# Altium PCB PCB-ZB206B-0B.PcbDoc (part 2 of 7) (continued)
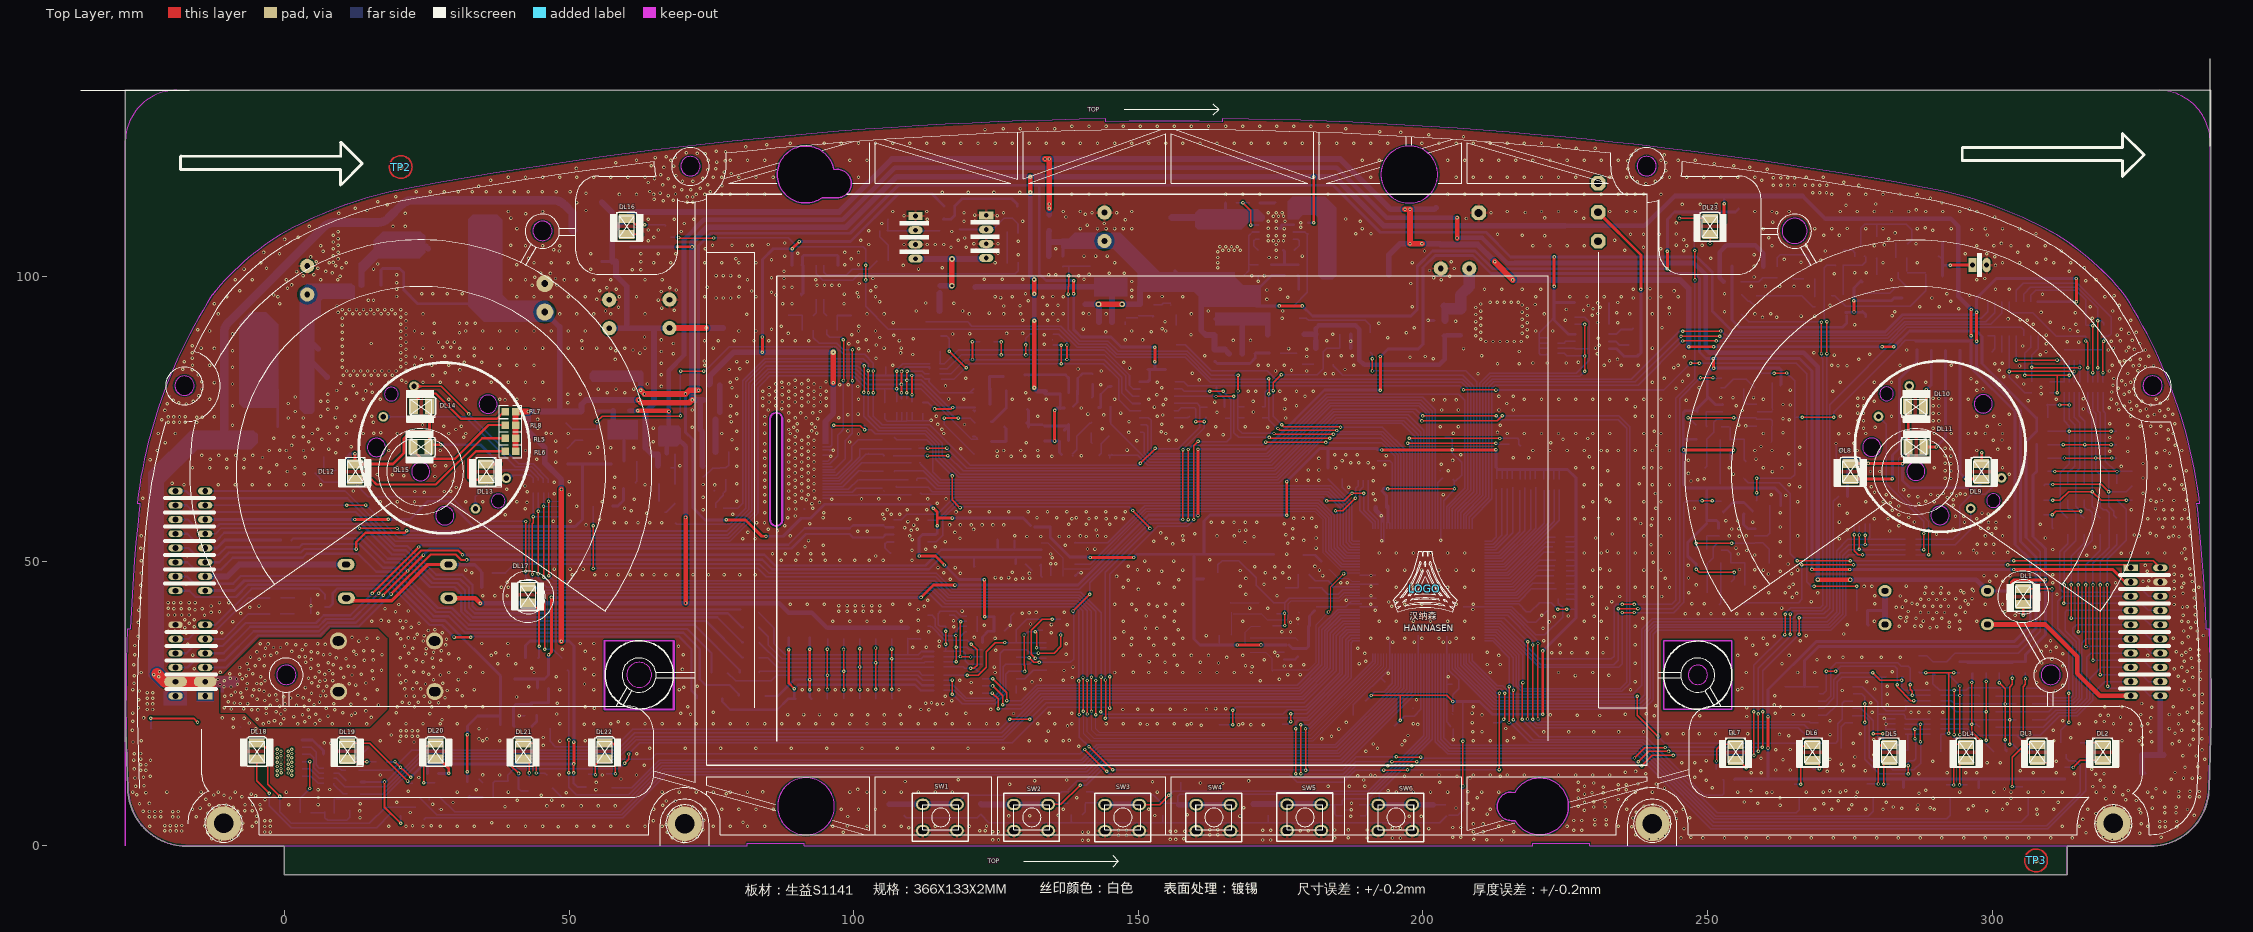
[diagram p0: Top Layer view]
## Nets (pads, with @x,y where several pads share a name; then routed paths per layer and width w, separated by ;. In a path a pad name is that pad's centre, name@x,y a point inside that pad or via, vN(x,y) a via of type N, cw(c..) or ccw(c..) an arc to the next point about the centre after c; other vN are vias at no path point) (continued)
  Bottom Layer w0.25: R137.1@254.17,46.37 254.71,46.91 v1(254.71,48.05)
  Bottom Layer w0.5: R1.2@40.4,29.32 40.41,29.33 44.43,29.33 ; 44.41,29.34 45.7,29.34 46.39,30.03 v1(46.39,33.56) ; R7.1@44.43,27.74 44.43,29.3 ; v1(46.89,43.65) v1@111.77,43.65 ; v1(117.78,45.82) 139.43,45.82 151.768,58.158 160.362,58.158 v1(160.48,58.04) ; v1(160.48,69.68) 172.34,69.68 182.73,80.07 v1(192.532,80.07) ; v1(192.532,85.979) 193.851,87.298 TP61.1@196.342,87.298 199.185,87.298 200.025,88.138 200.025,101.6 202.184,103.759 208.788,103.759 211.955,100.592 247.798,100.592 248.602,99.788 248.602,86.758 249.71,85.65 266.14,85.65 268.351,83.439 v1(268.351,48.57) ; v1@245.75,69.57 245.75,76.11 246.1,76.46 R47.1@248.04,76.46 ; 245.77,71.48 245.8,71.45 R26.2@247.99,71.45 ; v1(245.8,69.57) 245.8,63.38 246.27,62.91 261.81,62.91 262.88,61.84 R98.1@262.88,59.81 ; R99.2@247.78,49.65 246.54,50.89 246.54,53.32 C87.2@249.86,56.64 ; v1(248.02,48.57) R99.2@248.02,49.58 ; R47.1@248.17,76.87 248.18,76.86 248.19,76.86 R47.1@248.2,76.87 ; R47.1@248.2,76.29 R47.1@248.2,76.87 ; R47.1@248.2,76.94 R47.1@248.2,76.87 ; C87.2@249.86,57.17 249.86,62.88 ; C87.2@249.96,57.17 251.61,57.17 251.95,56.83 251.95,55.84 U19.8@251.93,55.82 ; v1(251.07,83.91) v1@250.99,83.99 ; U15.8@252.65,77.53 252.64,77.52 252.64,77.5 251.41,77.5 C17.2@249.96,78.95 ; R50.1@254.16,67.88 254.16,69.12 v1(254.57,69.53) ; R24.1@262.82,80.97 262.92,81.07 262.92,83.67 262.6,83.99 v1@250.99,83.99 ; v1@275.03,48.56 v1(303.82,48.56) ; R47.1@248.2,76.87 249.96,78.63 C17.2@249.96,78.95 ; C17.2@249.96,78.95 249.96,82.97 250.98,83.99 v1@250.99,83.99
  other v1: 275,48.56 251.05,85.61
+12V-V: C54.1 C99.2 R22.2 R104.2 R177.1 U3.1 | length 42.2
  Bottom Layer w0.5: R22.2@179.019,89.789 R22.2@179.146,89.916
  Bottom Layer w0.8: 181.201,88.798 C54.1@181.201,89.916 181.201,90.904 181.737,91.44 188.214,91.44 188.849,90.805 188.849,85.344 189.687,84.506 202.87,84.506 203.858,85.494 C99.2@203.858,86.995 R177.1@203.858,89.512 ; R177.1@203.708,89.662 R177.1@203.858,89.512 ; U3.1@206.629,89.742 204.088,89.742 R177.1@203.858,89.512
  Bottom Layer w1: R22.2@179.146,89.916 C54.1@181.201,89.916 ; R104.2@181.201,87.438 181.201,88.798
+B: D7.1 D8.1 D9.1 D10.1 JA1.3 JA1.4 pad.3@-13.948,28.845 pad.3@-19.148,28.845 U9.15 | length 171
  Top Layer w2: -22.4,30.23 -21.015,28.845 pad.3@-19.148,28.845 pad.3@-13.948,28.845
  Bottom Layer w1.5: -10.24,71.63 -10.617,72.007 -10.617,90.161 cw(c-8.077,90.161) -9.873,91.957 6.951,108.781 cw(c8.747,106.985) 8.747,109.525 16.423,109.525 ccw(c16.423,112.065) 18.219,110.269 20.617,112.667 cw(c22.414,110.871) 22.414,113.411 47.335,113.411 cw(c47.335,110.871) 49.131,112.667 50.67,111.128 50.67,108.18 D7.1@50.69,108.2 ccw(c50.738,108.152) D7.1@50.67,108.152
  Bottom Layer w2: -8.88,28.81 -8.915,28.845 -11.34,28.845 JA1.3@-13.948,28.845 JA1.4@-19.148,28.845 -21.015,28.845 -21.993,29.823 -22.4,30.23 -22.4,64.518 cw(c-19.86,64.518) -21.656,66.314 -16.48,71.49 D9.1@-5.82,71.49
  other v1: -1.265,12.423 1.275,12.423 0.64,12.804 -0.6,12.83 -1.265,13.185 1.275,13.185 -0.63,13.566 0.64,13.566 -1.265,13.947 1.275,13.947 -0.63,14.328 0.64,14.328 -1.265,14.709 1.275,14.709 -0.63,15.09 0.64,15.09 -1.265,15.471 1.275,15.471 -0.63,15.852 0.64,15.852 -1.265,16.233 1.275,16.233 -0.63,16.614 0.64,16.614 -1.265,16.995 1.275,16.995 -3.72,21.43 -0.693,21.43 2.333,21.43 5.36,21.43 8.387,21.43 11.413,21.43 14.44,21.43 -2.76,21.69 3.55,21.79 -1.8,21.97 -1.74,21.97 6.21,22.07 -4.82,22.27 -0.14,22.37 4.34,22.57 15.21,22.57 1.64,22.72 7.63,22.81 11.76,22.93 3.16,23.03 5.48,23.12 -0.64,23.17 -3.24,23.26 12.39,23.34 10.21,23.39 -1.49,23.55 14.3,23.71 -4.68,23.89 -5.76,23.92 0.08,23.9 4.15,23.9 8.82,23.9 -9.35,24.05 -7.2,24.11 7.32,24.15 -3.24,24.19 -10.59,24.27 3.45,24.51 -0.83,24.57 -2.53,24.69 2.1,24.71 16.49,24.75 5.17,24.8 11.66,24.89 0.08,24.94 8.65,24.96 -6.5,25 -7.76,25.02 -8.83,25.1 6.14,25.27 -9.91,25.31 -3.5,25.54 -1.33,25.61 4.36,25.6 -4.83,25.75 14.17,25.85 1.06,25.98 3.26,26 -7.41,26.14 -0.16,26.17 -10.51,26.28 -5.67,26.35 6.31,26.41 7.22,26.41 2.35,26.43 -9.39,26.44 -2.71,26.5 -1.56,26.52 12.85,26.62 4.73,26.81 -7.71,26.89 -8.67,27.04 -3.61,27.14 6.78,27.22 -5.41,27.43 16.3,27.44 -4.44,27.47 -6.69,27.64 3.67,27.82 -9.41,27.91 -10.64,27.95 5.91,28.05 7.39,28.05 12.53,28.26 -11.34,28.36 -8.27,28.4 -4.08,28.47 11.35,28.48 -6.55,28.53 -4.91,28.53 14.3,28.62 4.79,28.67 6.22,28.94 -3.44,28.99 -10.57,29.01 8.47,29.05 7.12,29.13 -11.71,29.23 -8.44,29.32 15.62,29.35 -7.44,29.4 -9.54,29.42 4.21,29.44 10.39,29.62 5.37,29.65 -4.21,29.71 -22.098,29.718 -6.71,29.93 11.85,30.03 -22.987,30.099 -7.89,30.14 7.08,30.13 13.48,30.17 -5.57,30.23 -9.63,30.25 8.46,30.25 -21.971,30.607 6.07,30.62 15.39,30.76 7.82,30.81 17.03,30.85 -6.32,30.99 4.57,31.21 9.85,31.21 -7.9,31.35 12.21,31.49 11.21,31.58 -5.17,31.67 -3.57,31.67 5.93,31.76 8.55,31.85 -6.58,32.03 7.66,32.18 3.69,32.24 14.03,32.62 15.58,32.67 4.7,32.76 -4.48,32.81 10.8,32.9 9.07,33.03 -5.99,33.17 2.57,33.24 3.65,33.26 -3.53,33.4 -2.39,33.49 6.84,33.58 17.12,33.58 12.62,33.62 7.98,33.67 -1.35,33.9 5.84,33.94 -4.85,34.08 4.7,34.12 1.25,34.17 12.17,34.22 13.89,34.31 15.49,34.31 3.11,34.49 -3.35,34.72 -1.94,34.85 -0.71,34.85 1.98,35.35 3.75,35.35 7.16,35.4 -2.89,35.49 0.38,35.49 -4.26,35.53 5.8,35.53 13.07,35.99 14.49,36.49 16.4,36.49 11.85,36.63
+B1: C13.2 C105.2 CP5.1 L1.2 U4.1 | length 28
  Bottom Layer w0.5: L1.2@4.3,82.03 4.38,81.95 C105.2@4.38,76.78
  Bottom Layer w1: L1.2@3.44,89.85 L1.2@3.761,90.171 ; CP5.1@3.761,96.687 3.98,96.687 3.98,89.28 L1.2@5.9,87.36 ; CP5.1@3.98,96.88 3.98,96.87 11.53,96.87 U4.1@11.55,96.85 ; L1.2@4.4,85.44 L1.2@7.47,82.37
AD1: DZ4.6 RP6.8 RP9.5 U17.13 | length 27.3
  Top Layer w0.25: v1(279.04,30.43) 280.387,29.083 v1(284.099,29.083)
  Bottom Layer w0.25: U17.13@269.48,24.18 U17.13@269.52,24.18 ; U17.13@269.52,24.22 270.39,24.22 272.16,25.99 272.16,29.16 273.43,30.43 v1(279.04,30.43) ; DZ4.6@284.476,29.637 284.163,29.637 284.1,29.7 284.099,29.699 v1(284.099,29.083) 284.099,27.813 284.542,27.37 RP9.5@284.8,27.37 ; RP9.5@284.72,27.29 284.74,27.29 284.78,27.33 RP6.8@289.15,27.33 ; RP9.5@285.1,27.42 RP9.5@285.16,27.36
AD2: DZ4.4 RP6.7 RP9.6 U17.14 | length 31.7
  Top Layer w0.25: v1(285.623,28.321) 285.623,27.559 286.004,27.178 v1(286.004,26.46)
  Bottom Layer w0.25: U17.14@269.48,25.45 270.78,25.45 271.62,26.29 271.62,31.2 271.68,31.26 ; 271.663,31.243 272.64,32.22 283.408,32.22 284.066,31.562 DZ4.4@284.476,31.562 285.303,31.562 285.623,31.242 v1(285.623,28.321) ; RP9.6@284.66,26.55 284.68,26.57 284.82,26.43 286.68,26.43 ; 286.69,26.43 RP6.7@289.15,26.43
AD3: DZ4.3 RP6.6 RP9.7 U17.15 | length 29.5
  Top Layer w0.25: v1(270.9,30.68) 270.92,30.66 v1(272.51,30.66) ; v1(283.337,28.321) 283.337,27.94 285.75,25.527 v1(286.258,25.527)
  Bottom Layer w0.25: U17.15@269.69,26.78 269.69,26.77 269.74,26.72 270.38,26.72 270.91,27.25 270.91,30.67 v1(270.9,30.68) ; v1(272.51,30.66) 273.412,31.562 DZ4.3@281.326,31.562 282.89,31.562 283.337,31.115 v1(283.337,28.321) ; RP9.7@284.66,25.6 RP9.7@284.73,25.53 ; RP9.7@284.8,25.53 287.78,25.53 287.8,25.55 ; 287.8,25.53 RP6.6@289.15,25.53
AD4: DZ4.1 RP6.5 RP9.8 U17.12 | length 32
  Bottom Layer w0.25: U17.12@269.48,22.91 270.845,22.91 272.76,24.825 272.76,28.86 273.562,29.662 280.62,29.662 ; DZ4.1@281.326,29.68 DZ4.1@281.344,29.68 ; DZ4.1@281.37,29.67 DZ4.1@281.36,29.68 ; RP9.8@284.72,24.65 284.74,24.63 284.74,24.61 284.76,24.63 RP9.8@284.8,24.63 ; RP6.5@289.15,24.63 RP9.8@284.8,24.63 ; 280.62,29.662 280.62,24.53 281.43,23.72 284.57,23.72 284.8,23.95 RP9.8@284.8,24.63 ; 280.62,29.662 DZ4.1@281.326,29.662 ; DZ4.1@281.326,29.662 DZ4.1@281.344,29.68 ; DZ4.1@281.326,29.662 281.342,29.662 DZ4.1@281.36,29.68 ; DZ4.1@281.344,29.68 DZ4.1@281.36,29.68
AD5: DZ5.6 RP8.8 RP10.5 U17.1 | length 25.5
  Bottom Layer w0.25: U17.1@275.48,27.99 277.2,27.99 279.93,25.26 279.93,17.59 280.63,16.89 DZ5.6@282.1,16.89 ; 279.95,23.13 284.46,23.13 284.78,22.81 RP10.5@284.78,22.33 ; RP10.5@284.86,22.23 284.91,22.28 RP8.8@289.15,22.28
AD6: DZ5.4 RP8.7 RP10.6 U17.5 | length 32.4
  Top Layer w0.25: v1(287.419,21.38) 287.419,18.291 v1(287.43,18.28)
  Bottom Layer w0.25: U17.5@275.42,22.89 277.51,22.89 278.4,22 278.4,15.48 278.952,14.928 DZ5.4@281.99,14.928 ; DZ5.4@281.98,14.95 281.99,14.94 DZ5.4@281.99,14.928 ; DZ5.4@282.134,14.928 DZ5.4@281.99,14.928 ; RP10.6@284.66,21.46 284.74,21.38 v1(287.419,21.38) RP8.7@289.15,21.38 ; v1(287.43,18.28) 287.43,14.53 286.24,13.34 282.58,13.34 281.99,13.93 DZ5.4@281.99,14.928
AD7: DZ5.3 RP8.6 RP10.7 U17.2 | length 35.5
  Top Layer w0.25: v1(277.62,21.69) 277.62,24.93 v1(277.63,24.94) ; v1@285.28,12.63 v1(285.28,12.64) v1(285.28,14.11) ; v1(286.45,20.49) 286.45,18.86 v1(286.46,18.85)
  Bottom Layer w0.25: U17.2@275.58,26.74 277.1,26.74 277.63,26.21 v1(277.63,24.94) ; v1(277.62,21.69) 277.62,15.21 280.19,12.64 v1(285.28,12.64) ; RP10.7@284.58,20.68 284.78,20.48 v1@286.449,20.48 ; v1(285.28,14.11) 285.284,14.114 DZ5.3@285.284,14.928 ; DZ5.3@285.41,14.95 286.22,14.95 286.56,15.29 286.56,18.75 v1(286.46,18.85) ; v1(286.45,20.49) v1@286.449,20.48 ; RP8.6@289.15,20.48 v1@286.449,20.48
AD8: DZ5.1 RP8.5 RP10.8 U17.4 | length 22.3
  Top Layer w0.25: v1(279.15,19.72) v1(280.8,19.72)
  Bottom Layer w0.25: U17.4@275.48,24.18 276.93,24.18 279.15,21.96 v1(279.15,19.72) ; v1(280.8,19.72) 280.81,19.71 280.81,18.71 281.86,17.66 281.89,17.69 283.75,17.69 284.612,16.828 DZ5.1@285.284,16.828 ; RP10.8@284.78,19.63 RP10.8@284.92,19.63 ; RP10.8@284.9,19.65 RP10.8@284.92,19.63 ; DZ5.1@285.11,16.84 285.1,16.83 285.09,16.83 285.16,16.9 RP10.8@285.16,19.58 ; RP8.5@289.15,19.58 RP10.8@285.16,19.58 ; RP10.8@284.92,19.63 285.16,19.63 RP10.8@285.16,19.58 ; RP10.8@284.92,19.63 284.97,19.58 RP10.8@285.16,19.58
AD9: DZ7.6 RP15.8 RP18.5 U18.13 | length 36.3
  Top Layer w0.25: v1(319.49,83.15) 319.49,88.567 v1(319.586,88.664)
  Bottom Layer w0.25: U18.13@304.282,95.607 304.282,97.622 305.47,98.81 315,98.81 320.929,92.881 320.929,89.999 320.447,89.517 DZ7.6@319.586,89.517 v1(319.586,88.664) ; RP18.5@319.49,85.38 v1(319.49,83.15) 319.49,81.499 RP15.8@319.492,81.497
AD10: DZ7.4 RP15.7 RP18.6 U18.14 | length 32.4
  Top Layer w0.25: v1(318.59,83.99) v1(318.59,92.29)
  Bottom Layer w0.25: U18.14@305.552,95.607 305.552,96.952 306.75,98.15 314.946,98.15 318.59,94.506 v1(318.59,92.29) 319.16,92.29 319.586,91.864 DZ7.4@319.586,91.442 ; RP15.7@318.59,81.499 v1(318.59,83.99) RP18.6@318.59,85.38
AD11: DZ7.3 RP15.6 RP18.7 U18.15 | length 29.7
  Top Layer w0.25: v1(317.69,83.16) v1(317.69,91.39)
  Bottom Layer w0.25: U18.15@306.822,95.607 306.822,96.782 307.69,97.65 314.734,97.65 316.436,95.947 DZ7.3@316.436,91.442 317.638,91.442 v1(317.69,91.39) ; RP18.7@317.69,85.38 v1(317.69,83.16) 317.69,81.499 RP15.6@317.692,81.497
AD12: DZ7.1 RP15.5 RP18.8 U18.12 | length 26.4
  Top Layer w0.25: v1(316.46,88.7) 316.79,88.37 v1(316.79,84.01)
  Bottom Layer w0.25: U18.12@303.012,95.607 303.012,94.088 303.47,93.63 307.15,93.63 311.238,89.542 DZ7.1@316.436,89.542 316.436,88.724 v1(316.46,88.7) ; RP18.8@316.79,85.38 v1(316.79,84.01) 316.79,81.499 RP15.5@316.792,81.497
AD12-0: C82.2 DZ15.4 DZ15.6 R160.1 R161.2 U10.83 | length 104.9
  Top Layer w0.25: v1(173.84,72.46) 173.99,72.31 v1(184.28,72.31)
  Top Layer w0.3: v1(137.71,96.95) 137.71,98.248 137.76,98.298 v1(137.76,100.15) ; v1@167.47,80.05 v1@167.48,80.06 ; v1(167.53,79.92) v1(167.53,82.7)
  Bottom Layer w0.25: v1@184.275,72.305 192.719,72.305 196.15,68.874 U10.83@196.15,55.76
  Bottom Layer w0.3: R160.1@136.728,101.727 136.828,101.827 137.744,101.827 ; v1@137.7,97.1 137.7,90.704 139.722,88.682 144.672,88.682 146.452,86.902 158.609,86.902 162.811,82.7 v1(167.53,82.7) v1@167.62,82.7 ; v1(137.76,100.15) 137.76,101.811 137.744,101.827 ; R161.2@141.554,101.827 137.744,101.827 ; v1@167.47,80.05 167.492,80.072 v1@167.492,80.19 ; 167.492,77.19 167.492,73.258 168.26,72.49 v1@173.84,72.49 ; v1@167.492,80.05 167.492,77.2 167.519,77.173 DZ15.6@168.604,77.173 ; 167.494,75.248 DZ15.4@168.604,75.248
AD12-1: C53.2 DZ15.3 R27.1 R45.2 U10.84 | length 112.6
  Top Layer w0.25: v1@172.94,82.15 v1(172.94,82.1) 172.94,82.01 172.92,81.99 172.97,81.94 v1@172.97,79.37 ; v1(174.53,73.33) 174.87,72.99 v1(184.88,72.99)
  Bottom Layer w0.25: R45.2@112.649,92.075 C53.2@117.602,92.075 120.015,92.075 120.778,91.312 136.332,91.312 139.492,88.152 144.452,88.152 146.234,86.37 158.398,86.37 162.768,82 172.84,82 v1(172.94,82.1) ; DZ15.3@171.754,75.248 172.908,75.248 172.92,75.26 ; v1@172.95,79.48 172.95,74.91 v1(174.53,73.33) ; v1@184.87,73.08 184.85,73.06 184.83,73.06 185.085,72.805 192.926,72.805 192.941,72.79 192.944,72.79 196.65,69.084 U10.84@196.65,55.76
  other v1: 172.94,79.41
AD12-2: C18.2 DZ15.1 R67.2 R104.1 U10.85 | length 68.8
  Top Layer w0.25: v1(173.72,80) 173.72,81.36 v1(175.15,82.79) ; v1(175.21,73.99) 175.52,73.68 185.39,73.68 v1(185.53,73.54)
  Bottom Layer w0.25: DZ15.1@171.754,77.148 DZ15.1@171.838,77.148 ; DZ15.1@171.79,77.1 DZ15.1@171.838,77.148 ; DZ15.1@171.84,77.21 171.84,77.15 DZ15.1@171.838,77.148 ; v1@175.09,82.74 181.419,82.74 182.499,83.82 182.499,86.836 R104.1@183.101,87.438 185.381,87.438 R67.2@185.391,87.448 C18.2@185.391,89.916 ; v1(175.21,73.99) 173.72,75.48 v1(173.72,80) 173.56,80.16 172.735,80.16 172.265,79.69 172.265,77.148 DZ15.1@171.838,77.148 ; v1(185.53,73.54) v1@185.555,73.515 ; v1@185.6,73.56 192.884,73.56 197.15,69.294 U10.85@197.15,55.76
AD13: DZ8.6 RP5.5 RP17.8 U18.1 | length 20.9
  Top Layer w0.25: v1(306.98,84.12) 307.07,84.03 315.35,84.03 v1(315.37,84.05)
  Bottom Layer w0.25: DZ8.6@307.004,81.533 306.98,81.556 v1(306.98,84.12) 306.98,86.24 308.092,87.352 U18.1@308.092,89.607 ; RP17.8@315.352,81.497 315.37,81.514 v1(315.37,84.05) RP5.5@315.37,85.36
AD14: DZ8.4 RP5.6 RP17.7 U18.5 | length 27.7
  Top Layer w0.25: v1(303.03,83.34) 303.03,83.35 v1(314.469,83.35)
  Bottom Layer w0.25: U18.5@303.012,89.607 303.012,82.338 305.742,79.608 DZ8.4@307.004,79.608 ; RP17.7@314.452,81.497 314.47,81.514 v1(314.469,83.35) RP5.6@314.47,85.36
AD15: DZ8.3 RP5.7 RP17.6 U18.2 | length 23.5
  Top Layer w0.25: v1(305.76,82.66) 305.86,82.66 305.87,82.67 311.49,82.67 ; v1(311.468,79.608) 311.468,82.648 311.49,82.67 ; v1(313.57,82.67) 311.49,82.67
  Bottom Layer w0.25: v1(305.76,82.66) 305.76,86.55 306.822,87.612 U18.2@306.822,89.607 ; DZ8.3@310.154,79.608 v1(311.468,79.608) ; RP17.6@313.552,81.497 313.57,81.514 v1(313.57,82.67) RP5.7@313.57,85.36
AD16: DZ8.1 RP5.8 RP17.5 U18.4 | length 19
  Top Layer w0.25: v1@304.27,85.36 v1(311.42,85.36)
  Bottom Layer w0.25: v1(304.282,85.36) U18.4@304.282,89.607 ; DZ8.1@310.154,81.508 RP17.5@312.641,81.508 ; v1(311.42,85.36) RP5.8@312.67,85.36 312.67,81.514 RP17.5@312.652,81.497
AD17: DZ10.6 RP21.1 RP23.8 U20.13 | length 21.9
  Top Layer w0.25: v1@116.16,35.46 v1(116.16,37.72)
  Bottom Layer w0.25: RP21.1@115.82,34.16 RP21.1@115.96,34.16 ; v1(116.14,35.44) 116.14,34.34 RP21.1@115.96,34.16 ; v1@116.176,37.68 DZ10.6@116.176,38.567 115.183,38.567 114.86,38.89 114.86,40.83 115.24,41.21 118.01,41.21 118.86,40.36 RP23.8@119.88,40.36 ; U20.13@122.55,31.92 120.2,31.92 119.63,32.49 119.63,33.81 119.28,34.16 RP21.1@115.96,34.16
AD18: DZ10.4 RP21.2 RP23.7 U20.14 | length 16.4
  Top Layer w0.25: v1@118.75,39.42 v1(118.75,33.27) 118.83,33.19 v1(120.52,33.19)
  Bottom Layer w0.25: RP21.2@115.82,33.26 v1@118.76,33.26 ; 116.82,40.492 117.688,40.492 v1(118.78,39.4) 118.84,39.46 RP23.7@119.88,39.46 ; v1@120.56,33.19 U20.14@122.55,33.19
AD19: DZ10.3 RP21.3 RP23.6 U20.15 | length 21.9
  Top Layer w0.25: v1(117.96,36.97) 118.01,36.97 117.98,36.94 117.98,34.9 v1(117.99,34.89) ; v1(118.01,32.36) v1@118.01,34.89
  Bottom Layer w0.25: DZ10.3@113.026,40.492 113.768,40.492 114.36,39.9 114.36,38.548 115.998,36.91 118.01,36.91 v1@118.01,36.97 ; RP21.3@115.82,32.36 v1(118.01,32.36) ; v1(117.96,36.97) 117.96,37.696 118.824,38.56 RP23.6@119.88,38.56 ; v1(117.99,34.89) 118,34.9 119.86,34.9 120.3,34.46 U20.15@122.55,34.46
AD20: DZ10.1 RP21.4 RP23.5 U20.12 | length 23.7
  Top Layer w0.25: v1(120.525,31.198) 121.114,31.198 121.666,31.75 121.666,34.434 v1(120.65,35.45)
  Bottom Layer w0.25: DZ10.1@113.026,38.592 113.427,38.592 113.538,38.481 113.665,38.481 116.031,36.115 118.745,36.115 ; RP21.4@115.82,31.46 119.24,31.46 119.502,31.198 v1(120.525,31.198) 121.329,31.198 121.897,30.63 U20.12@122.58,30.63 ; RP23.5@119.88,37.66 119.626,37.66 118.75,36.784 118.75,36.12 118.745,36.115 ; v1(120.65,35.45) 119.985,36.115 118.745,36.115
AD21: DZ11.6 RP22.1 RP24.8 U20.1 | length 29.7
  Top Layer w0.25: v1(119.95,29.98) 121.86,29.98 123.26,31.38 123.26,34.09 124.9,35.73 v1(126.56,35.73)
  Bottom Layer w0.25: RP22.1@115.82,30.02 119.91,30.02 v1(119.95,29.98) ; v1(126.56,35.73) U20.1@128.55,35.73 ; DZ11.6@133.184,39.833 130.413,39.833 128.55,37.97 U20.1@128.55,35.73 ; RP24.8@133.85,35.69 133.81,35.73 U20.1@128.55,35.73
AD22: DZ11.4 RP22.2 RP24.7 U20.5 | length 36.4
  Top Layer w0.25: v1(117.31,26.63) v1(117.31,29.13) ; v1(129.92,37.055) 129.92,31.78 130.02,31.68 v1(130.02,30.65) ; v1(131.91,37.62) 132.12,37.41 v1(132.12,34.8)
  Bottom Layer w0.25: RP22.2@115.82,29.12 117.32,29.12 v1(117.31,29.13) ; v1(117.31,26.63) 117.41,26.63 119.08,24.96 124.851,24.96 126.75,26.859 126.75,30.12 127.28,30.65 v1(130.02,30.65) ; v1(129.92,37.055) 129.99,37.055 130.555,37.62 v1(131.91,37.62) ; v1@131.935,37.595 132.248,37.908 DZ11.4@133.184,37.908 ; v1@132.11,34.79 RP24.7@133.85,34.79
AD23: DZ11.3 RP22.3 RP24.6 U20.2 | length 33.8
  Top Layer w0.25: v1(132.45,33.88) 135.19,33.88 136.35,35.04 v1(136.35,37.06)
  Bottom Layer w0.25: RP22.3@115.82,28.22 117.514,28.22 119.774,25.96 124.431,25.96 125.74,27.269 125.74,33.85 126.35,34.46 130.44,34.46 131.01,33.89 RP24.6@133.85,33.89 ; DZ11.3@136.334,37.908 136.35,37.891 v1(136.35,37.06)
AD24: DZ11.1 RP22.4 RP24.5 U20.4 | length 35.6
  Top Layer w0.25: v1(131.92,32.99) 131.232,33.678 131.232,37.902 133.161,39.83 v1@134.89,39.83
  Bottom Layer w0.25: RP22.4@115.82,27.32 117.7,27.32 119.56,25.46 124.641,25.46 126.24,27.059 126.24,31.44 126.72,31.92 130.85,31.92 v1(131.92,32.99) RP24.5@133.85,32.99 ; v1(134.9,39.84) 136.301,39.84 DZ11.1@136.334,39.808
AD25: DZ14.4 R83.2 R95.2 U5.5 | length 156.2
  Top Layer w0.3: v1(157.83,57.34) v1@157.83,69.59 ; v1(160.11,74.549) v1(161.58,74.549)
  Bottom Layer w0.3: R83.2@36.55,47.96 R95.2@38.788,47.96 ; R95.2@38.81,47.96 40.36,49.51 83.49,49.51 85.121,47.879 114.555,47.879 117.344,45.09 139.62,45.09 151.871,57.34 v1(157.83,57.34) ; U5.5@156.31,76.47 157.02,76.47 157.54,76.99 159.86,76.99 160.11,76.74 v1(160.11,74.549) ; v1(157.85,69.62) 157.85,69.69 161.58,73.42 v1(161.58,74.549) 161.58,74.95 DZ14.4@161.9,75.27
AD27: DZ14.1 R127.2 R173.2 U5.1 | length 168.6
  Top Layer w0.3: v1(207.14,80.14) 212.78,80.14 v1(212.83,80.09) ; v1@247.06,84.79 v1(248.59,84.79) ; v1(268.732,45.63) v1(276.23,45.63)
  Bottom Layer w0.3: U5.1@156.49,81.57 157.984,81.57 158.704,80.85 206.43,80.85 v1(207.14,80.14) ; 163.72,80.81 163.72,80.01 163.755,79.975 165.16,78.57 DZ14.1@165.16,77.108 ; v1(212.83,80.09) 242.32,80.09 247.07,84.84 v1@247.07,84.83 ; v1@248.6,84.78 265.613,84.78 267.462,82.931 267.462,46.409 268.241,45.63 v1@268.702,45.63 ; v1@268.732,45.6 v1@268.702,45.63 ; v1(268.732,45.63) v1@268.702,45.63 ; R127.2@276.24,41.37 R173.2@276.24,43.95 R173.2@276.24,44.03 ; v1@276.24,45.63 R173.2@276.24,44.03 ; R173.2@276.3,44.09 R173.2@276.24,44.03
  other v1: 247.03,84.82
AD28: D35.1 DZ14.6 R143.2 R144.2 U5.4 | length 149.9
  Top Layer w0.25: v1(54.88,74.57) 55.84,75.53 69.53,75.53 v1(69.56,75.56) ; v1(69.59,83.42) v1(73.63,83.42) ; v1(103.43,83.43) 103.43,79.65 v1(103.46,79.62) ; v1(150.37,67.21) 152.94,69.78 v1(152.94,69.84)
  Bottom Layer w0.25: D35.1@49.43,74.31 50.56,73.18 R143.2@52.34,73.18 R144.2@54.86,73.18 54.86,74.55 v1(54.88,74.57) ; v1(69.56,75.56) 69.56,83.39 v1(69.59,83.42) ; v1(73.63,83.42) 73.82,83.42 78.14,87.74 96.84,87.74 98.21,86.37 101.895,86.37 103.43,84.835 v1(103.43,83.43) ; v1(103.46,79.62) 103.46,75.483 104.983,73.96 113.35,73.96 120.43,66.88 150.04,66.88 v1(150.37,67.21) ; v1@152.89,69.78 157.04,69.78 160.82,73.56 160.82,77.25 160.33,77.74 U5.4@156.31,77.74 ; 160.83,77.11 DZ14.6@162.116,77.11
AD29: D34.1 DZ14.3 R140.2 R141.2 U5.2 | length 198.3
  Top Layer w0.25: v1(59.74,14.52) 60.46,15.24 v1(60.46,16.15) ; v1(144.96,24.22) 144.96,29.71 v1(144.97,29.72) ; v1(159.76,57.34) 159.76,70.29 v1@160.52,71.05 ; v1@162.54,79.88 v1(162.56,79.88) v1@164.89,79.88
  Bottom Layer w0.25: R140.2@36.64,8.55 36.69,8.6 R141.2@36.69,11.08 36.94,11.33 D34.1@39.32,11.33 ; D34.1@39.36,11.52 D34.1@39.22,11.52 39.22,12.44 40.31,13.53 58.75,13.53 v1(59.74,14.52) ; v1(60.46,16.15) 62.44,18.13 127.85,18.13 134.05,24.33 144.91,24.33 144.91,24.27 v1(144.96,24.22) ; v1@144.96,29.67 144.96,47.739 153.382,56.162 158.582,56.162 v1(159.76,57.34) ; U5.2@156.31,80.28 157.62,80.28 158.028,79.872 v1@162.522,79.872 ; v1@160.46,71.02 165.56,71.02 166.21,71.67 166.21,75.13 ; v1@164.92,79.75 166.21,78.46 166.21,76.09 ; DZ14.3@165.24,75.13 166.21,75.13 ; 166.21,76.07 166.21,75.13
  other v1: 160.5,71.07 164.91,79.89
ADC0: U10.4 U17.3 | length 84.5
  Top Layer w0.25: v1(237.67,26.29) 237.67,22.934 v1(241.3,19.304)
  Bottom Layer w0.25: U10.4@207.15,33.76 207.15,31.924 212.944,26.13 237.51,26.13 v1(237.67,26.29) ; v1(241.3,19.304) 242.534,18.07 272.5,18.07 272.909,18.479 272.909,21.469 273.69,22.25 273.69,25.09 274.05,25.45 U17.3@275.48,25.45
ADC1: U10.1 U18.3 | length 155.2
  Bottom Layer w0.25: U10.1@208.65,33.76 208.65,32.56 213.084,28.126 214.038,28.126 215.533,26.631 236.871,26.631 238.452,28.212 238.452,38.032 240.312,39.892 264.977,39.892 265.857,40.772 270.472,40.772 271.49,41.79 271.49,77.549 285.041,91.1 305.1,91.1 305.54,90.66 U18.3@305.54,90.09 ; U18.3@305.552,89.607 U18.3@305.552,90.09
ADC2: U10.81 U20.3 | length 110.4
  Top Layer w0.25: v1(130.81,33.05) 131.63,32.23 v1(132.58,32.23) ; v1(138.52,41.26) v1(141.478,44.218) ; v1(158.79,57.33) v1(158.79,69.64) 158.79,69.69 v1@158.82,69.72 ; v1@172.378,70.95 v1@182.94,70.95
  Bottom Layer w0.25: U20.3@128.55,33.19 U20.3@128.58,33.19 ; U20.3@128.58,33.17 130.69,33.17 v1(130.81,33.05) ; v1(132.58,32.23) 138.06,32.23 138.66,32.83 138.66,41.14 v1@138.43,41.37 ; v1(141.478,44.218) 141.478,46.198 143.7,48.42 ; 143.697,48.423 151.935,56.662 158.122,56.662 v1(158.79,57.33) ; v1(158.79,69.64) 159.532,70.382 171.802,70.382 v1(172.374,70.954) ; v1@182.96,70.87 192.73,70.87 195.15,68.45 U10.81@195.15,55.76
  other v1: 182.94,70.89
ADC3: U5.3 U10.82 | length 60.3
  Top Layer w0.25: v1(163.65,78.96) 166.75,78.96 v1(166.79,79) ; v1(173.02,71.77) 173.15,71.64 v1@183.63,71.64
  Bottom Layer w0.25: U5.3@156.31,79.01 163.6,79.01 v1(163.65,78.96) ; v1(166.79,79) 166.79,72.61 167.64,71.76 173.07,71.76 v1@173.06,71.75 ; v1@183.65,71.59 192.724,71.59 195.65,68.664 U10.82@195.65,55.76
  other v1: 183.63,71.61
AN-12V: D3.1 U10.103 | length 49.7
  Top Layer w0.25: v1(191.135,83.439) v1(191.135,85.598)
  Bottom Layer w0.25: D3.1@190.754,86.741 191.135,86.36 v1(191.135,85.598) ; v1(191.135,83.439) 207.518,83.439 209.44,81.517 209.44,62 206.15,58.71 U10.103@206.15,55.76
AN-POW_1: D33.1 U10.93 | length 90.1
  Bottom Layer w0.25: 145.1,74.39 D33.1@145.1,77.25 ; D33.1@145.12,77.21 145.12,74.154 151.882,67.392 173.222,67.392 183.639,77.808 199.46,77.808 201.15,76.119 U10.93@201.15,55.76
AN-POW_2: D21.1 U10.92 | length 82.7
  Bottom Layer w0.25: D21.1@144.7,68.61 144.69,68.62 149.944,68.62 150.171,68.393 151.682,66.882 173.422,66.882 183.83,77.29 199.27,77.29 200.65,75.91 U10.92@200.65,55.76 ; D21.1@145,68.07 D21.1@145,68.5 ; D21.1@145.31,68.76 145.38,68.83 145.38,68.66 D21.1@145.68,68.66
BKGD: DZ6.4 DZ6.6 J1.1 R58.2 U10.53 | length 35
  Bottom Layer w0.2: J1.1@166.13,42.81 166.197,42.743 DZ6.6@171.194,42.743 ; R58.2@166.3,37.11 166.4,37.21 J1.1@166.4,41.02 ; J1.1@166.68,40.79 166.708,40.818 DZ6.4@171.194,40.818 171.577,40.818 172.631,39.764 176.064,39.764 176.35,40.05 176.35,42.51 176.912,43.072 185.422,43.072 186.361,44.01 U10.53@188.9,44.01 ; DZ6.6@171.34,42.73 DZ6.6@171.37,42.7
CAN0-HR: JA1.11 R66.2 | length 25.9
  Top Layer w0.35: JA1.11@-13.948,38.845 -13.025,38.845 JA1.11@-12.89,38.71
  Bottom Layer w0.35: JA1.11@-13.948,38.845 -12.135,38.845 -5.79,45.19 6.08,45.19 7.14,44.13 R66.2@7.14,43.88 R66.2@7.14,43.49 ; R66.2@7.075,43.425 R66.2@7.09,43.41
CAN0_H: C6.2 D32.2 JA1.7 R5.2 U1.7 | length 159.9
  Top Layer w0.4: v1@16.55,44.4 24.031,51.88 30.52,51.88 v1(31.26,51.14)
  Bottom Layer w0.4: JA1.7@-13.948,33.845 -10.705,33.845 -6.04,38.51 5.91,38.51 7.27,39.87 12.03,39.87 14.69,42.53 14.69,42.55 v1(16.52,44.38) ; v1(31.26,51.14) 84.32,51.14 86.184,49.276 112.629,49.276 115.383,52.03 125.3,52.03 ; D32.2@125.26,53.77 125.3,53.73 125.3,52.03 ; C6.2@128.26,53.64 128.26,52.13 128.3,52.09 ; U1.7@132.94,52.03 125.3,52.03